# KiCad board 8851_HW-U1-VCU118_REV2-0_071417.kicad_pcb (continued)
## Routing (per net, layer and track width the routed paths; a pad name or vN(x,y) marks a point on that pad's centre or on a via; arc(x,y) is an arc through that point) (continued)
FMCP_HSPC_HA17_CC_N: length 187.2
  TOP w0.102: v2(106.53,52.01) 107.02,52.5 ; J22.K17 v3(85.25,167)
  18_SIG6 w0.075: 117.7,88.09 117.7,88.07 117.73,88.04 117.73,87.61 117.74,87.6 117.74,87.29 117.73,87.28 117.73,86.62 117.74,86.62 117.74,86.3 117.73,86.3 117.73,86.01 117.77,85.97 117.77,84.19 117.74,84.15 117.74,83.99 117.74,83.99 117.74,81.1 117.76,81.08 117.76,77.37 117.59,77.21 113.18,77.21 112.83,76.86 112.83,60.66 112.65,60.47 108.22,60.47 107.91,60.17 107.91,52.74 107.78,52.61 107.15,52.61 106.93,52.38 106.93,52.09 106.85,52.01 v2(106.53,52.01)
  18_SIG6 w0.087: 117.7,88.09 117.7,91.06 119.25,92.61 119.25,95.23 118.3,96.18 118.3,97.93 117.76,98.47 117.76,99.22 118.3,99.76 118.3,109.27 118.97,109.94 118.97,115.92 118.58,116.33 118.58,123.4 114.77,127.2 113.68,127.2 99.07,141.82 95.77,141.82 93.41,144.17 73.91,144.17 73.27,143.53 70.53,143.53 69.95,144.1 69.12,144.1 68.23,144.99 68.23,147.9 71.99,151.65 71.99,153.57 72.43,154.01 87.95,154.01 88.24,154.3 88.24,166.11 88.11,166.24 86.07,166.24 85.74,166.57 85.74,166.87 85.61,167 v3(85.25,167)
FMCP_HSPC_HA17_CC_P: length 187.2
  TOP w0.102: J22.K16 v3(86.5,167) ; v2(107.52,52.01) 108.01,52.5
  18_SIG6 w0.075: 117.97,88.09 117.97,88.09 117.93,88.04 117.93,87.69 117.93,87.68 117.93,87.21 117.93,87.2 117.93,86.7 117.93,86.7 117.93,86.22 117.93,86.22 117.93,86.09 117.97,86.05 117.97,84.11 117.93,84.07 117.93,81.18 117.95,81.16 117.95,77.29 117.67,77.01 113.26,77.01 113.03,76.78 113.03,60.58 112.73,60.28 108.3,60.28 108.11,60.09 108.11,52.66 107.86,52.41 107.23,52.41 107.12,52.3 107.12,52.09 107.2,52.01 v2(107.52,52.01)
  18_SIG6 w0.087: 117.97,88.09 117.97,90.94 119.52,92.49 119.52,95.35 118.58,96.29 118.58,98.04 118.03,98.58 118.03,99.1 118.58,99.64 118.58,109.15 119.25,109.82 119.25,116.04 118.85,116.44 118.85,123.52 114.89,127.48 113.8,127.48 99.18,142.09 95.88,142.09 93.53,144.45 73.8,144.45 73.15,143.8 70.64,143.8 70.07,144.38 69.24,144.38 68.51,145.11 68.51,147.78 72.26,151.54 72.26,153.45 72.55,153.74 88.07,153.74 88.51,154.19 88.51,166.22 88.22,166.51 86.18,166.51 86.01,166.68 86.01,166.87 86.14,167 v3(86.5,167)
FMCP_HSPC_HA18_N: length 189.3
  TOP w0.102: J22.J19 v3(82.75,165.75) ; v2(105.55,55.95) 106.04,56.44
  20_SIG7 w0.075: 126.59,88.06 126.59,88.03 126.63,87.98 126.63,85.4 126.59,85.37 126.59,80.36 126.39,80.16 119.09,80.16 118.74,79.81 118.74,76.33 118.63,76.22 116.92,76.22 115.94,75.23 115.07,75.23 114.8,74.96 114.8,57.77 114.57,57.54 106.26,57.54 105.93,57.2 105.93,55.79 105.83,55.69 105.62,55.69 105.55,55.76 v2(105.55,55.95)
  20_SIG7 w0.087: v3(82.75,165.75) 83.15,165.75 83.24,165.66 83.24,165.25 83.5,164.99 86.72,164.99 87.01,164.7 87.01,161.78 86.76,161.53 86.28,161.53 85.74,160.98 85.74,151.85 90.05,147.53 90.05,146.35 90.34,146.06 95.95,146.06 97.36,144.65 113.61,144.65 114.11,144.15 115.54,144.15 116.41,143.28 118.32,143.28 122.05,139.55 122.48,139.55 123.42,140.5 125.05,140.5 125.17,140.37 125.17,139.96 125.01,139.8 124.15,139.8 123.85,139.5 123.85,138.67 124.15,138.38 126.07,138.38 126.2,138.25 126.2,137.75 126.11,137.66 124.6,137.66 124.29,137.34 124.29,136.95 124.53,136.7 124.53,136.2 125.08,135.65 126.03,135.65 126.22,135.47 126.22,133.02 126.66,132.58 128.98,132.58 131.9,129.65 131.9,127.34 131.68,127.11 131.68,126.04 131.86,125.85 131.86,125.37 131.77,125.29 131.4,125.29 131.15,125.04 131.15,124.27 131.4,124.02 132.1,124.02 132.19,123.93 132.19,123.67 132.1,123.58 131.4,123.58 131.15,123.34 131.15,122.41 131.71,121.86 131.71,117.13 131.95,116.89 131.95,115.79 131.55,115.39 131.55,114.82 130.07,113.34 130.07,112.62 130.95,111.75 130.95,105.44 132.6,103.79 132.6,102.23 130.84,100.47 130.84,95.5 130.71,95.37 130.11,95.37 129.81,95.08 129.81,94.45 130.11,94.16 131.05,94.16 131.25,93.96 131.25,93.28 126.65,88.69 126.65,88.29 126.59,88.06
FMCP_HSPC_HA18_P: length 189
  TOP w0.102: J22.J18 v3(84,165.75) ; v2(106.53,55.95) 107.02,56.44
  20_SIG7 w0.075: v2(106.53,55.95) 106.23,55.95 106.13,56.05 106.13,57.12 106.35,57.34 114.65,57.34 115,57.69 115,74.88 115.15,75.04 116.02,75.04 117,76.03 118.71,76.03 118.93,76.25 118.93,79.73 119.17,79.96 126.48,79.96 126.79,80.28 126.79,85.29 126.83,85.32 126.83,88 126.86,88.04
  20_SIG7 w0.087: 126.86,88.04 126.86,88.51 131.53,93.17 131.53,94.07 131.17,94.43 130.22,94.43 130.09,94.57 130.09,94.96 130.22,95.1 130.82,95.1 131.12,95.39 131.12,100.35 132.88,102.11 132.88,103.9 131.22,105.55 131.22,111.86 130.35,112.74 130.35,113.22 131.83,114.7 131.83,115.28 132.22,115.67 132.22,117 131.98,117.24 131.98,121.97 131.42,122.53 131.42,123.22 131.51,123.31 132.22,123.31 132.47,123.56 132.47,124.05 132.22,124.3 131.51,124.3 131.42,124.38 131.42,124.92 131.51,125.01 131.88,125.01 132.13,125.26 132.13,125.97 131.95,126.15 131.95,127 132.18,127.22 132.18,129.76 129.09,132.85 126.77,132.85 126.49,133.13 126.49,135.58 126.15,135.93 125.19,135.93 124.81,136.31 124.81,136.82 124.56,137.06 124.56,137.23 124.72,137.38 126.22,137.38 126.47,137.64 126.47,138.36 126.18,138.65 124.26,138.65 124.13,138.79 124.13,139.39 124.26,139.52 125.12,139.52 125.45,139.85 125.45,140.49 125.16,140.77 123.31,140.77 122.36,139.83 122.16,139.83 118.43,143.55 116.53,143.55 115.65,144.43 114.22,144.43 113.72,144.93 97.48,144.93 96.07,146.33 90.46,146.33 90.33,146.46 90.33,147.65 86.01,151.96 86.01,160.87 86.39,161.25 86.87,161.25 87.28,161.66 87.28,164.81 86.83,165.26 83.62,165.26 83.51,165.37 83.51,165.66 83.74,165.89 83.86,165.89 v3(84,165.75)
FMCP_HSPC_HA19_N: length 184.7
  TOP w0.102: J22.F20 v3(81.5,162) ; v2(103.58,53.98) 104.07,54.47
  20_SIG7 w0.075: v2(103.58,53.98) 103.58,54.14 103.33,54.39 103.18,54.39 102.99,54.58 102.99,60.16 103.31,60.47 111.68,60.47 111.85,60.64 111.85,77.83 112.21,78.19 114.59,78.19 114.62,78.22 114.8,78.4 114.8,80.82 115.11,81.12 115.15,81.12 115.69,81.13 115.84,81.28 115.84,82.67 116.38,83.21 116.38,83.6 116.74,83.96 116.86,84.08 119.56,84.08 119.74,84.26 119.74,84.8 120.04,85.1 123.49,85.1 123.64,85.25 123.64,88.02 123.83,88.21 123.83,88.57 123.8,88.6
  20_SIG7 w0.087: v3(81.5,162) 81.99,161.51 81.99,151.05 83.03,150.01 83.03,142.23 83.47,141.79 112.13,141.79 113,140.92 113,139.61 113.37,139.24 113.9,139.24 114.29,139.63 114.29,140.34 114.42,140.48 114.95,140.48 115.09,140.34 115.09,139.69 115.47,139.3 116.04,139.3 116.43,139.69 116.43,140.34 116.56,140.48 116.84,140.48 120.32,136.99 120.32,131.62 120.61,131.33 121.02,131.33 121.47,131.77 121.65,131.77 122.03,131.4 122.03,131.21 121.59,130.77 121.59,130.35 122.12,129.82 122.54,129.82 123.15,130.43 123.34,130.43 123.71,130.06 123.71,129.87 123.1,129.26 123.1,128.84 123.64,128.31 124.05,128.31 124.71,128.96 126.21,128.96 126.65,128.53 126.65,126.38 125.72,125.44 125.11,125.44 124.82,125.15 124.82,124.66 125.57,123.9 125.57,110.71 125.91,110.38 126.62,110.38 127.28,111.02 127.65,111.02 128.1,110.57 128.1,103.69 128.02,103.6 127.1,103.6 126.85,103.35 126.85,102.78 127.1,102.53 128.02,102.53 128.1,102.44 128.1,97.54 127.07,96.51 127.07,93.02 123.8,89.75 123.8,88.6
FMCP_HSPC_HA19_P: length 184.7
  TOP w0.102: v2(103.58,54.96) 104.07,55.46 ; J22.F19 v3(82.75,162)
  20_SIG7 w0.075: v2(103.58,54.96) 103.65,54.89 103.65,54.71 103.53,54.59 103.26,54.59 103.19,54.66 103.19,60.08 103.39,60.28 111.76,60.28 112.04,60.56 112.04,77.75 112.29,78 114.67,78 114.7,78.02 115,78.32 115,80.74 115.19,80.93 115.23,80.93 115.77,80.93 116.04,81.2 116.04,82.59 116.57,83.13 116.57,83.52 116.94,83.88 119.64,83.88 119.94,84.18 119.94,84.72 120.12,84.9 123.57,84.9 123.84,85.17 123.84,87.94 124.03,88.13 124.03,88.55 124.08,88.6
  20_SIG7 w0.087: v3(82.75,162) 82.75,162 82.38,162 82.26,161.89 82.26,151.16 83.3,150.12 83.3,142.35 83.58,142.07 112.24,142.07 113.28,141.03 113.28,139.72 113.49,139.51 113.78,139.51 114.02,139.75 114.02,140.46 114.31,140.75 115.07,140.75 115.36,140.46 115.36,139.8 115.59,139.58 115.93,139.58 116.16,139.8 116.16,140.46 116.45,140.75 116.95,140.75 120.59,137.11 120.59,131.73 120.72,131.61 120.91,131.61 121.35,132.05 121.77,132.05 122.3,131.51 122.3,131.1 121.86,130.66 121.86,130.47 122.24,130.09 122.42,130.09 123.04,130.71 123.45,130.71 123.99,130.17 123.99,129.76 123.37,129.14 123.37,128.95 123.75,128.58 123.94,128.58 124.59,129.24 126.33,129.24 126.92,128.64 126.92,126.26 125.83,125.17 125.22,125.17 125.09,125.03 125.09,124.77 125.85,124.02 125.85,110.83 126.03,110.65 126.51,110.65 127.16,111.3 127.76,111.3 128.38,110.69 128.38,103.58 128.13,103.33 127.21,103.33 127.12,103.24 127.12,102.89 127.21,102.8 128.13,102.8 128.38,102.55 128.38,97.43 127.34,96.4 127.34,92.9 124.08,89.63 124.08,88.6
FMCP_HSPC_HA20_N: length 189.3
  TOP w0.102: v2(103.58,55.95) 104.07,56.44 ; J22.E19 v3(82.75,160.75)
  20_SIG7 w0.075: v2(103.58,55.95) 103.87,55.95 103.97,56.05 103.97,59.15 104.31,59.49 112.67,59.49 112.83,59.64 112.83,76.89 113.14,77.21 115.57,77.21 115.79,77.43 115.79,80.29 116.55,81.05 116.55,82.7 116.99,83.13 122.85,83.13 122.89,83.09 123.58,83.09 123.61,83.13 124.44,83.13 124.63,83.32 124.63,86.18 124.66,86.22 124.66,87.87 124.61,87.93 124.61,87.95
  20_SIG7 w0.087: 124.61,87.95 124.61,89.22 127.98,92.59 127.98,96.13 129.01,97.17 129.01,101.12 129.68,101.79 129.68,102.29 129.1,102.86 129.1,110.86 127.55,112.41 127.55,120.75 128.28,121.48 128.28,121.83 128.19,121.92 127.1,121.92 126.85,122.16 126.85,122.74 127.1,122.99 128.19,122.99 128.28,123.08 128.28,123.43 128.19,123.52 127.1,123.52 126.85,123.76 126.85,124.04 126.58,124.32 126.58,124.95 126.83,125.2 128.58,125.2 128.71,125.33 128.71,125.73 128.57,125.86 128.12,125.86 127.83,126.15 127.83,126.63 128.15,126.95 128.64,126.95 129.3,127.61 129.3,129.42 127.95,130.78 125.96,130.78 124.16,132.58 123.59,132.58 123.29,132.88 121.76,132.88 121.37,133.27 121.37,137.48 117.45,141.4 113.89,141.4 112.62,142.67 95.29,142.67 95,142.96 95,144.04 94.86,144.18 94.33,144.18 94.2,144.04 94.2,142.96 93.91,142.67 93.15,142.67 92.86,142.96 92.86,144.04 92.72,144.18 92.19,144.18 92.06,144.04 92.06,142.96 91.77,142.67 91.01,142.67 90.72,142.96 90.72,144.04 90.58,144.18 90.05,144.18 89.92,144.04 89.92,142.96 89.63,142.67 88.87,142.67 88.58,142.96 88.58,144.04 88.44,144.18 87.91,144.18 87.78,144.04 87.78,142.96 87.49,142.67 86.73,142.67 86.44,142.96 86.44,144.04 86.3,144.18 85.77,144.18 85.64,144.04 85.64,142.96 85.35,142.67 84.49,142.67 84.22,142.94 84.22,150.44 83.24,151.42 83.24,160.26 v3(82.75,160.75)
FMCP_HSPC_HA20_P: length 190.9
  TOP w0.102: v2(104.56,55.95) 105.06,56.44 ; J22.E18 v3(84,160.75)
  20_SIG7 w0.075: 124.88,87.95 124.88,87.94 124.86,87.91 124.86,86.14 124.82,86.1 124.82,83.23 124.52,82.94 123.69,82.94 123.66,82.9 122.81,82.9 122.77,82.94 117.07,82.94 116.75,82.62 116.75,80.97 115.99,80.21 115.99,77.35 115.65,77.01 113.22,77.01 113.02,76.81 113.02,59.56 112.75,59.3 104.39,59.3 104.17,59.07 104.17,56.03 104.25,55.95 v2(104.56,55.95)
  20_SIG7 w0.087: v3(84,160.75) 84,161.2 83.89,161.31 83.49,161.31 83.3,161.12 83.3,160.59 83.51,160.38 83.51,151.54 84.5,150.55 84.5,143.05 84.61,142.94 85.23,142.94 85.37,143.08 85.37,144.16 85.66,144.45 86.42,144.45 86.71,144.16 86.71,143.08 86.84,142.94 87.37,142.94 87.51,143.08 87.51,144.16 87.8,144.45 88.56,144.45 88.85,144.16 88.85,143.08 88.98,142.94 89.51,142.94 89.65,143.08 89.65,144.16 89.94,144.45 90.7,144.45 90.99,144.16 90.99,143.08 91.12,142.94 91.65,142.94 91.79,143.08 91.79,144.16 92.08,144.45 92.84,144.45 93.13,144.16 93.13,143.08 93.26,142.94 93.79,142.94 93.93,143.08 93.93,144.16 94.22,144.45 94.98,144.45 95.27,144.16 95.27,143.08 95.4,142.94 112.73,142.94 114,141.68 117.56,141.68 121.64,137.59 121.64,133.38 121.88,133.15 123.4,133.15 123.7,132.85 124.28,132.85 126.08,131.05 128.06,131.05 129.57,129.54 129.57,127.5 128.75,126.67 128.26,126.67 128.1,126.52 128.1,126.27 128.23,126.13 128.69,126.13 128.98,125.84 128.98,125.22 128.7,124.93 126.95,124.93 126.85,124.83 126.85,124.43 127.12,124.16 127.12,123.88 127.21,123.79 128.3,123.79 128.55,123.54 128.55,122.96 128.3,122.72 127.21,122.72 127.12,122.63 127.12,122.28 127.21,122.19 128.3,122.19 128.55,121.94 128.55,121.36 127.83,120.64 127.83,112.52 129.38,110.97 129.38,102.97 129.95,102.4 129.95,101.67 129.29,101.01 129.29,97.05 128.25,96.02 128.25,92.47 124.88,89.11 124.88,87.95
FMCP_HSPC_HA21_N: length 184.3
  TOP w0.102: v2(102.6,53.98) 103.09,54.47 ; J22.K20 v3(81.5,167)
  20_SIG7 w0.075: 121.8,89.04 121.72,88.96 121.72,88.89 120.72,87.89 120.72,86.17 120.6,86.05 119.85,86.05 119.81,86.08 118.74,86.08 118.7,86.05 117.94,86.05 117.91,86.08 116.87,86.08 116.56,85.77 116.56,85.07 115.82,84.33 115.82,83.39 115.56,83.13 115.08,83.13 114.78,82.84 114.78,82.37 114.54,82.13 114.12,82.13 113.83,81.84 113.83,79.38 113.63,79.18 111.21,79.18 110.86,78.83 110.86,61.62 110.7,61.46 102.31,61.46 102,61.15 102,54.61 102.22,54.4 102.51,54.4 102.6,54.31 v2(102.6,53.98)
  20_SIG7 w0.087: 121.8,89.04 121.81,89.05 126.14,93.39 126.14,96.87 127.2,97.92 127.2,100.48 125.88,101.8 125.88,104.24 126.12,104.49 127.09,104.49 127.17,104.58 127.17,104.93 127.09,105.01 126.12,105.01 125.88,105.26 125.88,105.77 126.5,106.4 126.5,107.47 124.7,109.27 124.7,123.46 123.83,124.33 123.83,126.82 119.38,131.27 119.38,132.24 119.26,132.35 118.27,132.35 117.97,132.64 117.97,133.3 118.31,133.63 119.09,133.63 119.28,133.83 119.28,136.73 117.71,138.3 114.64,138.3 114.45,138.11 114.45,136.52 114.16,136.22 113.4,136.22 113.1,136.52 113.1,137.84 112.65,138.3 111.76,138.3 111.43,138.63 111.43,139.61 111.99,140.18 111.99,140.37 111.62,140.74 111.43,140.74 110.87,140.18 110.45,140.18 109.76,140.86 82.51,140.86 82,141.38 82,149.54 80.74,150.8 80.74,166.16 81.09,166.51 81.63,166.51 81.75,166.64 81.75,166.75 v3(81.5,167)
FMCP_HSPC_HA21_P: length 185.1
  TOP w0.102: v2(102.6,54.96) 103.09,55.46 ; J22.K19 v3(82.75,167)
  20_SIG7 w0.075: v2(102.6,54.96) 102.6,54.68 102.51,54.59 102.3,54.59 102.2,54.69 102.2,61.07 102.39,61.26 110.78,61.26 111.06,61.54 111.06,78.75 111.29,78.98 113.71,78.98 114.03,79.3 114.03,81.76 114.2,81.93 114.62,81.93 114.98,82.29 114.98,82.76 115.16,82.94 115.64,82.94 116.01,83.31 116.01,84.25 116.75,84.99 116.75,85.68 116.95,85.89 117.82,85.89 117.86,85.85 118.78,85.85 118.82,85.89 119.73,85.89 119.77,85.85 120.68,85.85 120.92,86.09 120.92,87.81 121.94,88.83 121.98,88.83 122,88.85
  20_SIG7 w0.087: v3(82.75,167) 82.75,167.14 82.57,167.32 82.16,167.32 82.02,167.19 82.02,166.52 81.74,166.24 81.21,166.24 81.01,166.05 81.01,150.91 82.28,149.65 82.28,141.49 82.63,141.14 109.88,141.14 110.56,140.45 110.75,140.45 111.32,141.02 111.73,141.02 112.27,140.48 112.27,140.07 111.7,139.5 111.7,138.75 111.87,138.58 112.76,138.58 113.38,137.96 113.38,136.63 113.51,136.5 114.04,136.5 114.17,136.63 114.17,138.22 114.53,138.58 117.82,138.58 119.56,136.84 119.56,133.71 119.2,133.36 118.42,133.36 118.25,133.18 118.25,132.76 118.38,132.62 119.38,132.62 119.65,132.35 119.65,131.38 124.1,126.93 124.1,124.44 124.97,123.57 124.97,109.39 126.78,107.59 126.78,106.29 126.15,105.66 126.15,105.38 126.24,105.29 127.2,105.29 127.45,105.04 127.45,104.46 127.2,104.21 126.24,104.21 126.15,104.13 126.15,101.91 127.47,100.59 127.47,97.81 126.42,96.75 126.42,93.27 122.48,89.33 122,88.85
FMCP_HSPC_HA22_N: length 182.5
  TOP w0.102: J22.J22 v3(79,165.75) ; v2(101.61,52.99) 102.1,53.49
  20_SIG7 w0.075: v2(101.61,52.99) 101.68,52.93 101.82,52.93 101.98,53.08 101.98,53.27 101.86,53.39 101.35,53.39 101.02,53.72 101.02,62.2 101.26,62.44 109.74,62.44 109.88,62.59 109.88,79.82 110.23,80.17 112.6,80.17 112.81,80.39 112.81,82.86 113.08,83.13 113.59,83.13 113.81,83.35 113.81,83.74 114.15,84.08 114.69,84.08 114.82,84.21 114.82,84.74 115.16,85.09 115.65,85.09 116.03,85.47 116.03,87.53 116.64,88.14 119.69,88.14 120.6,89.06 120.6,89.13
  20_SIG7 w0.087: 120.6,89.13 124.96,93.49 124.96,98.87 125.56,99.47 125.56,100.88 124.97,101.47 124.97,106.09 125.47,106.6 125.47,107.26 123.84,108.9 123.84,123 122.96,123.89 122.96,126.36 117.12,132.2 116.01,132.2 110.01,138.2 109.2,138.2 107.45,139.95 78.52,139.95 78.31,140.17 78.31,141.37 78.63,141.69 80.67,141.69 80.8,141.82 80.8,142.35 80.67,142.49 79.78,142.49 79.49,142.78 79.49,143.54 79.78,143.83 80.67,143.83 80.8,143.96 80.8,144.49 80.67,144.63 79.78,144.63 79.49,144.92 79.49,145.68 79.78,145.97 80.67,145.97 80.8,146.1 80.8,146.63 80.67,146.77 79.78,146.77 79.49,147.06 79.49,147.82 79.78,148.11 80.67,148.11 80.8,148.24 80.8,148.77 80.67,148.91 79.78,148.91 79.49,149.2 79.49,165.26 v3(79,165.75)
FMCP_HSPC_HA22_P: length 183.2
  TOP w0.102: J22.J21 v3(80.25,165.75) ; v2(102.6,52.99) 103.09,53.49
  20_SIG7 w0.075: 120.79,88.93 120.75,88.93 119.77,87.95 116.72,87.95 116.23,87.45 116.23,85.39 115.73,84.89 115.24,84.89 115.01,84.66 115.01,84.12 114.77,83.88 114.23,83.88 114.01,83.66 114.01,83.27 113.67,82.94 113.16,82.94 113.01,82.78 113.01,80.31 112.68,79.98 110.31,79.98 110.07,79.74 110.07,62.5 109.82,62.25 101.34,62.25 101.21,62.12 101.21,53.8 101.43,53.58 101.94,53.58 102.17,53.35 102.17,53.08 102.26,52.99 v2(102.6,52.99)
  20_SIG7 w0.087: v3(80.25,165.75) 80.14,165.86 79.69,165.86 79.57,165.74 79.57,165.57 79.76,165.38 79.76,149.31 79.89,149.18 80.78,149.18 81.08,148.89 81.08,148.13 80.78,147.84 79.89,147.84 79.76,147.7 79.76,147.17 79.89,147.04 80.78,147.04 81.08,146.75 81.08,145.99 80.78,145.7 79.89,145.7 79.76,145.56 79.76,145.03 79.89,144.9 80.78,144.9 81.08,144.61 81.08,143.85 80.78,143.56 79.89,143.56 79.76,143.42 79.76,142.89 79.89,142.76 80.78,142.76 81.08,142.47 81.08,141.71 80.78,141.42 78.75,141.42 78.59,141.26 78.59,140.28 78.64,140.23 107.56,140.23 109.31,138.48 110.12,138.48 116.13,132.47 117.23,132.47 123.23,126.47 123.23,124 124.11,123.12 124.11,109.01 125.75,107.38 125.75,106.49 125.25,105.98 125.25,101.58 125.83,100.99 125.83,99.36 125.23,98.76 125.23,93.37 120.79,88.93
FMCP_HSPC_HA23_N: length 181.4
  TOP w0.102: J22.K23 v3(77.75,167) ; v2(101.61,52.01) 102.1,52.5
  20_SIG7 w0.075: 116.38,88.95 116.36,88.95 116.32,88.91 115.81,88.91 114.78,87.88 114.78,86.28 114.59,86.09 114.57,86.09 114.56,86.08 114.1,86.08 113.8,85.78 113.8,85.31 113.58,85.09 113.21,85.09 112.85,84.73 112.85,84.22 112.71,84.08 112.17,84.08 111.87,83.77 111.87,81.28 111.71,81.13 109.22,81.13 108.89,80.8 108.89,63.61 108.71,63.43 100.3,63.43 100.04,63.17 100.04,52.71 100.34,52.4 101.93,52.4 102,52.33 102,51.93 101.91,51.83 101.79,51.83 v2(101.61,52.01)
  20_SIG7 w0.087: v3(77.75,167) 78.12,167 78.24,166.89 78.24,148.95 78.11,148.82 77.67,148.82 77.38,148.52 77.38,147.77 77.67,147.47 78.11,147.47 78.24,147.34 78.24,146.81 78.11,146.68 77.67,146.68 77.38,146.38 77.38,145.63 77.67,145.33 78.11,145.33 78.24,145.2 78.24,144.67 78.11,144.54 77.67,144.54 77.38,144.24 77.38,143.49 77.67,143.19 78.11,143.19 78.24,143.06 78.24,142.53 78.11,142.4 77.07,142.4 76.77,142.1 76.77,139.47 77.21,139.03 106.92,139.03 108.92,137.03 109.85,137.03 115.64,131.23 116.75,131.23 121.63,126.36 121.63,123.83 122.97,122.49 122.97,108.52 123.95,107.54 123.95,93.72 119.17,88.95 116.38,88.95
FMCP_HSPC_HA23_P: length 181.1
  TOP w0.102: v2(102.6,52.01) 103.09,52.5 ; J22.K22 v3(79,167)
  20_SIG7 w0.075: v2(102.6,52.01) 102.28,52.01 102.2,52.1 102.2,52.41 102.01,52.6 100.42,52.6 100.23,52.79 100.23,63.08 100.38,63.23 108.8,63.23 109.09,63.53 109.09,80.72 109.3,80.93 111.79,80.93 112.06,81.2 112.06,83.69 112.25,83.88 112.79,83.88 113.05,84.14 113.05,84.65 113.29,84.9 113.66,84.9 113.99,85.23 113.99,85.7 114.18,85.89 114.64,85.89 114.65,85.89 114.67,85.89 114.98,86.2 114.98,87.8 115.89,88.72 116.32,88.72 116.36,88.67 116.38,88.67
  20_SIG7 w0.087: 116.38,88.67 119.29,88.67 124.22,93.61 124.22,107.66 123.25,108.63 123.25,122.6 121.9,123.95 121.9,126.47 116.87,131.51 115.76,131.51 109.96,137.3 109.04,137.3 107.04,139.3 77.33,139.3 77.04,139.59 77.04,141.98 77.18,142.12 78.22,142.12 78.51,142.42 78.51,143.17 78.22,143.47 77.78,143.47 77.65,143.6 77.65,144.13 77.78,144.26 78.22,144.26 78.51,144.56 78.51,145.31 78.22,145.61 77.78,145.61 77.65,145.74 77.65,146.27 77.78,146.4 78.22,146.4 78.51,146.7 78.51,147.45 78.22,147.75 77.78,147.75 77.65,147.88 77.65,148.41 77.78,148.54 78.22,148.54 78.51,148.84 78.51,166.51 v3(79,167)
FMCP_HSPC_IIC_SCL: length 139.3
  TOP w0.138: 139.58,118.33 141.55,118.33 v3(142.19,118.97)
  TOP w0.15: J22.C30 v3(69,158.25)
  07_SIG3 w0.17: v3(142.19,118.97) 141.64,118.97 141.47,119.14 141.47,121.97 141.79,122.3 142.33,122.3 144.72,124.68 144.72,130.57 143.99,131.3 141.08,131.3 139.03,133.35 139.03,140.53 130.75,148.8 121.13,148.8 116.92,153.01 116.92,156.62 115.53,158.01 115.53,167.85 111.98,171.4 69.38,171.4 68.76,170.79 68.76,169.94 68.5,169.68 68.5,158.75 v3(69,158.25)
  BOTTOM w0.15: v3(142.19,118.97) 141.6,119.55 140.55,119.55 140.44,119.44 R624.2
FMCP_HSPC_IIC_SDA: length 139.6
  TOP w0.138: 139.58,117.69 v3(140.94,117.69)
  TOP w0.15: J22.C31 v3(67.75,158.25)
  07_SIG3 w0.17: v3(67.75,158.25) 67.75,157.8 67.92,157.63 69.26,157.63 69.58,157.95 69.58,169.74 69.25,170.06 69.25,170.6 69.55,170.9 105.62,170.9 105.67,170.85 105.75,170.85 105.78,170.83 111.78,170.83 114.9,167.7 114.9,157.87 116.37,156.39 116.37,152.79 120.9,148.26 130.52,148.26 138.48,140.3 138.48,133.12 140.85,130.75 141.21,130.75 143.76,130.75 144.17,130.35 144.17,124.91 142.1,122.84 141.53,122.84 140.4,121.71 140.4,119.94 140.23,119.77 139.84,119.77 139.68,119.6 139.68,119.26 139.84,119.09 140.23,119.09 140.4,118.92 140.4,118.23 v3(140.94,117.69)
  BOTTOM w0.15: R623.2 139.67,117.19 140.16,117.69 v3(140.94,117.69)
FMCP_HSPC_LA00_CC_N: length 164
  TOP w0.102: v2(124.25,77.6) 123.76,77.11 ; J22.G7 v3(97.75,163.25)
  16_SIG5 w0.075: 130.53,88.4 130.53,88.38 130.57,88.34 130.57,86.19 130.55,86.17 130.55,84.79 130.53,84.77 130.53,83.18 130.55,83.16 130.55,75.42 130.35,75.22 127.85,75.22 127.78,75.3 127.78,75.88 127.43,76.22 124.78,76.22 124.65,76.35 124.65,76.95 124.25,77.35 v2(124.25,77.6)
  16_SIG5 w0.087: 130.53,88.4 130.53,91.17 128.56,93.14 128.56,99.89 128.2,100.25 128.2,107.31 128.56,107.67 128.56,113.35 130.14,114.93 130.14,122.99 130.51,123.37 130.51,123.74 130.3,123.95 129.06,123.95 128.54,124.47 128.54,125.26 129.11,125.84 130.64,125.84 130.78,125.97 130.78,127.65 131.2,128.07 131.63,128.07 132.2,128.65 132.2,130.27 132.11,130.36 131.56,130.36 131.45,130.25 131.45,128.81 131.18,128.54 130.5,128.54 130.25,128.79 130.25,131.38 130.5,131.63 132.58,131.63 132.77,131.83 132.77,132.04 132.56,132.25 130.54,132.25 130.28,132.51 130.28,132.99 130.66,133.38 131.71,133.38 131.8,133.46 131.8,137.51 132.1,137.81 132.1,140.9 132.01,140.99 130.11,140.99 130.02,140.9 130.02,140.22 129.77,139.98 129.31,139.98 129.03,140.25 129.03,140.9 128.95,140.99 128.12,140.99 127.88,141.23 127.88,141.73 128.12,141.97 132.14,141.97 132.22,142.06 132.22,142.32 132.14,142.41 128.12,142.41 127.88,142.66 127.88,143.15 128.12,143.4 131.71,143.4 131.8,143.49 131.8,144.16 131.69,144.28 128.69,144.28 128.07,144.89 128.07,146.46 127.81,146.73 122.17,146.73 121.72,147.17 121.72,147.52 122.39,148.19 122.39,148.32 122.21,148.5 122.08,148.5 121.42,147.83 121.06,147.83 120.72,148.18 120.72,148.53 121.39,149.2 121.39,149.32 121.2,149.51 120.63,149.51 120.1,150.04 120.1,151.21 114.33,156.99 113.36,156.99 113.11,157.23 113.11,157.84 113.02,157.93 112.76,157.93 112.67,157.84 112.67,157.23 112.42,156.99 110.62,156.99 110.03,157.58 107.35,157.58 105.97,158.95 105.97,160.71 105.46,161.23 98.49,161.23 98.24,161.47 98.24,162.76 v3(97.75,163.25)
FMCP_HSPC_LA00_CC_P: length 164.2
  TOP w0.102: v2(124.25,76.62) 123.76,76.12 ; J22.G6 v3(99,163.25)
  16_SIG5 w0.075: v2(124.25,76.62) 124.45,76.41 124.45,76.27 124.7,76.03 127.35,76.03 127.58,75.79 127.58,75.22 127.77,75.03 130.43,75.03 130.74,75.34 130.74,83.24 130.73,83.26 130.73,84.69 130.74,84.7 130.74,86.09 130.76,86.11 130.76,88.34 130.8,88.38 130.8,88.4
  16_SIG5 w0.087: 130.8,88.4 130.8,91.29 128.84,93.25 128.84,100 128.47,100.36 128.47,107.19 128.84,107.55 128.84,113.24 130.41,114.81 130.41,122.88 130.79,123.26 130.79,123.85 130.41,124.23 129.17,124.23 128.81,124.59 128.81,125.15 129.23,125.56 130.76,125.56 131.05,125.86 131.05,127.53 131.32,127.8 131.74,127.8 132.47,128.53 132.47,130.39 132.23,130.64 131.45,130.64 131.18,130.36 131.18,128.92 131.07,128.82 130.61,128.82 130.53,128.9 130.53,131.27 130.61,131.36 132.69,131.36 133.05,131.71 133.05,132.15 132.68,132.53 130.65,132.53 130.55,132.62 130.55,132.88 130.78,133.1 131.83,133.1 132.07,133.35 132.07,137.4 132.38,137.7 132.38,141.01 132.13,141.26 130,141.26 129.75,141.01 129.75,140.34 129.66,140.25 129.42,140.25 129.31,140.36 129.31,141.01 129.06,141.26 128.24,141.26 128.15,141.35 128.15,141.61 128.24,141.7 132.25,141.7 132.5,141.95 132.5,142.44 132.25,142.69 128.24,142.69 128.15,142.77 128.15,143.04 128.24,143.12 131.83,143.12 132.07,143.37 132.07,144.28 131.8,144.55 128.8,144.55 128.35,145 128.35,146.58 127.92,147 122.29,147 122,147.29 122,147.41 122.67,148.08 122.67,148.43 122.32,148.78 121.97,148.78 121.3,148.11 121.18,148.11 120.99,148.29 120.99,148.42 121.66,149.09 121.66,149.44 121.31,149.79 120.74,149.79 120.38,150.15 120.38,151.33 114.44,157.26 113.47,157.26 113.38,157.35 113.38,157.95 113.13,158.2 112.64,158.2 112.39,157.95 112.39,157.35 112.31,157.26 110.74,157.26 110.14,157.85 107.46,157.85 106.25,159.06 106.25,160.83 105.58,161.5 98.6,161.5 98.51,161.59 98.51,163.41 98.58,163.48 98.78,163.48 v3(99,163.25)
FMCP_HSPC_LA01_CC_N: length 144.2
  TOP w0.102: 123.76,72.19 v2(124.25,72.68) ; J22.D9 v3(95.25,159.5)
  16_SIG5 w0.075: 132.5,88.32 132.5,88.31 132.54,88.27 132.54,86.23 132.52,86.21 132.52,84.86 132.5,84.84 132.5,83.11 132.52,83.09 132.52,72.5 132.3,72.29 124.32,72.29 124.25,72.36 v2(124.25,72.68)
  16_SIG5 w0.087: v3(95.25,159.5) 95.85,159.5 95.92,159.43 95.92,159.02 96.17,158.78 97.03,158.78 97.28,159.02 97.28,161.12 96.87,161.53 96.11,161.53 96.03,161.61 96.03,163.56 96.19,163.73 98.04,163.73 98.53,164.21 98.53,164.8 98.72,165 105.51,165 106.77,163.74 109.35,163.74 111.59,161.5 112.71,161.5 117.71,156.5 118.36,156.5 120.25,154.61 120.25,154.36 123.47,151.14 123.47,150.79 123.99,150.28 132.05,150.28 132.82,149.5 132.82,147.56 134.57,145.81 134.57,143.49 135.12,142.94 135.12,140.99 134.63,140.49 134.63,129.6 134.27,129.24 134.27,127.56 132.66,125.96 132.66,123.59 133.13,123.12 133.13,114.12 132.35,113.34 132.35,110.86 130.4,108.91 130.4,103.81 131.2,103.01 131.2,93.03 132.5,91.73 132.5,88.32
FMCP_HSPC_LA01_CC_P: length 144
  TOP w0.102: 123.76,71.2 v2(124.25,71.7) ; J22.D8 v3(96.5,159.5)
  16_SIG5 w0.075: v2(124.25,71.7) 124.25,72.02 124.32,72.09 132.38,72.09 132.71,72.42 132.71,83.17 132.69,83.19 132.69,84.76 132.71,84.78 132.71,86.13 132.73,86.15 132.73,88.27 132.77,88.31 132.77,88.32
  16_SIG5 w0.087: v3(96.5,159.5) 96.2,159.2 96.2,159.14 96.29,159.05 96.91,159.05 97,159.14 97,161 96.75,161.25 96,161.25 95.75,161.5 95.75,163.68 96.08,164 97.92,164 98.25,164.33 98.25,164.91 98.61,165.28 105.63,165.28 106.89,164.01 109.46,164.01 111.7,161.78 112.83,161.78 117.83,156.78 118.47,156.78 120.53,154.73 120.53,154.48 123.75,151.25 123.75,150.9 124.1,150.55 132.16,150.55 133.1,149.61 133.1,147.68 134.85,145.93 134.85,143.6 135.4,143.05 135.4,140.88 134.9,140.38 134.9,129.48 134.54,129.12 134.54,127.45 132.94,125.85 132.94,123.7 133.41,123.24 133.41,114 132.63,113.22 132.63,110.75 130.68,108.8 130.68,103.92 131.47,103.12 131.47,93.14 132.77,91.84 132.77,88.32
FMCP_HSPC_LA02_N: length 157
  TOP w0.102: J22.H8 v3(96.5,164.5) ; 122.77,73.17 v2(123.26,73.66)
  16_SIG5 w0.075: 133.74,88.2 133.74,88.18 133.7,88.14 133.7,87.73 133.68,87.71 133.68,86.23 133.72,86.2 133.72,83.16 133.7,83.15 133.7,71.45 133.35,71.11 123.99,71.11 123.66,71.44 123.66,73.95 123.53,74.08 122.97,74.08 122.87,73.97 122.87,73.74 122.95,73.66 v2(123.26,73.66)
  16_SIG5 w0.087: 133.74,88.2 133.74,92.26 133.1,92.9 133.1,98.97 132.9,99.17 132.9,103.55 132.07,104.38 132.07,104.91 132.25,105.09 133.46,105.09 133.75,105.38 133.75,106.01 133.46,106.3 132.97,106.3 132.83,106.43 132.83,108.24 133.02,108.43 133.27,108.43 133.57,108.74 133.57,111.51 134.4,112.33 134.4,124.71 135.81,126.13 135.81,139.99 136.43,140.6 136.43,143.64 135.81,144.25 135.81,147.25 135.51,147.55 134.59,147.55 134.07,148.06 134.07,151.89 133.66,152.3 125.61,152.3 125.24,152.68 124.82,152.68 124.31,152.17 124.18,152.17 123.75,152.6 123.75,152.73 124.26,153.24 124.26,153.65 123.7,154.21 123.7,154.8 123.08,155.43 122.45,155.43 122.17,155.15 121.75,155.15 121.45,155.45 121.03,155.45 119.35,157.12 119.35,157.78 118.88,158.25 118.88,160.05 118.25,160.68 117.86,160.68 117.61,160.43 115.53,160.43 115.25,160.7 115.25,161.65 115.92,162.32 115.92,166.66 115.31,167.28 112.09,167.28 110.81,166 106.05,166 105.53,166.53 97.39,166.53 96.99,166.13 96.99,165.4 96.7,165.11 96.7,164.7 v3(96.5,164.5)
FMCP_HSPC_LA02_P: length 156.8
  TOP w0.102: 121.79,73.17 v2(122.28,73.66) ; J22.H7 v3(97.75,164.5)
  16_SIG5 w0.075: 133.46,88.2 133.46,88.18 133.5,88.14 133.5,87.81 133.48,87.79 133.48,86.15 133.52,86.12 133.52,83.25 133.5,83.23 133.5,71.53 133.27,71.3 124.07,71.3 123.85,71.53 123.85,74.03 123.61,74.27 122.89,74.27 122.68,74.05 122.68,73.74 122.6,73.66 v2(122.28,73.66)
  16_SIG5 w0.087: v3(97.75,164.5) 97.65,164.4 97.1,164.4 96.97,164.53 96.97,165 97.26,165.29 97.26,166.01 97.5,166.25 105.41,166.25 105.94,165.73 110.92,165.73 112.2,167 115.2,167 115.65,166.55 115.65,162.44 114.97,161.76 114.97,160.59 115.41,160.15 117.73,160.15 117.98,160.4 118.14,160.4 118.6,159.94 118.6,158.14 119.08,157.66 119.08,157.01 120.91,155.18 121.34,155.18 121.64,154.88 122.29,154.88 122.56,155.15 122.96,155.15 123.42,154.69 123.42,154.1 123.98,153.54 123.98,153.35 123.47,152.84 123.47,152.49 124.07,151.89 124.42,151.89 124.93,152.4 125.12,152.4 125.5,152.02 133.55,152.02 133.8,151.78 133.8,147.95 134.47,147.28 135.4,147.28 135.54,147.14 135.54,144.14 136.15,143.53 136.15,140.71 135.54,140.1 135.54,126.24 134.12,124.82 134.12,112.45 133.3,111.62 133.3,108.85 133.16,108.71 132.91,108.71 132.56,108.36 132.56,106.32 132.85,106.03 133.35,106.03 133.48,105.89 133.48,105.5 133.35,105.36 132.14,105.36 131.8,105.03 131.8,104.26 132.62,103.44 132.62,99.06 132.82,98.86 132.82,92.79 133.46,92.15 133.46,88.2
FMCP_HSPC_LA03_N: length 160.9
  TOP w0.102: v2(129.17,81.54) 128.68,81.05 ; J22.G10 v3(94,163.25)
  16_SIG5 w0.075: v2(129.17,81.54) 129.17,81.13 129.25,81.06 129.48,81.06 129.56,81.14 129.56,83.06 129.58,83.08 129.58,84.7 129.56,84.72 129.56,86.06 129.55,86.08 129.55,88.09 129.62,88.16 129.62,88.64 129.55,88.71 129.55,88.89 129.51,88.93 129.51,88.95
  16_SIG5 w0.087: 129.51,88.95 129.51,90.97 127.63,92.85 127.63,99.47 127.25,99.85 127.25,108.25 127.7,108.7 127.7,110.99 127.61,111.08 127.11,111.08 126.8,111.39 126.8,113.14 127.14,113.48 127.56,113.48 127.71,113.64 127.71,114.17 127.61,114.27 127.14,114.27 126.8,114.61 126.8,115.28 127.14,115.62 127.59,115.62 127.72,115.75 127.72,116.28 127.59,116.41 127.14,116.41 126.8,116.75 126.8,117.42 127.14,117.76 129.03,117.76 129.16,117.89 129.16,118.33 128.95,118.54 127.15,118.54 126.82,118.87 126.82,121.09 127.11,121.39 127.66,121.39 127.93,121.12 127.93,120.13 128.04,120.02 128.27,120.02 128.41,120.16 128.41,122.05 128.28,122.18 127.67,122.18 127.36,122.49 127.36,123.1 127.67,123.41 127.67,123.97 127.36,124.28 127.36,126.39 127.75,126.77 129.26,126.77 129.38,126.89 129.38,133.33 129.86,133.81 129.86,134.01 129.03,134.85 129.03,138.58 128.82,138.78 126.9,138.78 126.42,138.3 125.33,138.3 124.71,138.92 124.71,139.74 125.11,140.14 126.47,140.14 127,140.67 127,141.59 126.91,141.68 126.05,141.68 125.8,141.93 125.8,142.42 126.05,142.67 126.91,142.67 127,142.75 127,143.68 127.2,143.88 127.2,145.74 127.11,145.83 126.97,145.83 126.88,145.73 126.88,144.76 126.46,144.35 125.79,144.35 125.62,144.19 125.62,143.22 125.38,142.98 124.81,142.98 124.53,143.26 124.53,145.74 124.44,145.83 124.13,145.83 124.04,145.74 124.04,142.8 123.77,142.53 123.3,142.53 123.06,142.77 123.06,144.26 122.97,144.35 122.69,144.35 122.6,144.26 122.6,143.32 122.35,143.08 121.92,143.08 121.67,143.32 121.67,145.09 121.92,145.34 122.97,145.34 123.06,145.42 123.06,145.74 122.97,145.83 121.76,145.83 118.67,148.91 118.67,151.31 114.94,155.05 114.82,155.05 114.46,154.69 114.11,154.69 113.7,155.1 113.7,155.45 114.06,155.81 114.06,155.93 113.89,156.1 113.12,156.1 113.03,156.01 113.03,154.8 112.78,154.55 112.29,154.55 112.04,154.8 112.04,156.01 111.96,156.1 111.69,156.1 111.61,156.01 111.61,154.8 111.36,154.55 110.87,154.55 110.62,154.8 110.62,156.01 110.53,156.1 110.27,156.1 110.18,156.01 110.18,154.8 109.93,154.55 109.44,154.55 109.19,154.8 109.19,155.76 108.48,156.47 106.49,156.47 105.47,157.49 94.89,157.49 94.49,157.89 94.49,162.76 v3(94,163.25)
FMCP_HSPC_LA03_P: length 161.1
  TOP w0.102: J22.G9 v3(95.25,163.25) ; v2(129.17,80.55) 128.68,80.06
  16_SIG5 w0.075: v2(129.17,80.55) 129.17,80.81 129.23,80.86 129.56,80.86 129.76,81.06 129.76,82.98 129.78,83 129.78,84.78 129.76,84.8 129.76,86.15 129.74,86.16 129.74,88 129.81,88.08 129.81,88.72 129.74,88.79 129.74,88.89 129.78,88.93 129.78,88.95
  16_SIG5 w0.087: 129.78,88.95 129.78,91.09 127.91,92.96 127.91,99.58 127.53,99.96 127.53,108.14 127.97,108.59 127.97,111.1 127.73,111.35 127.22,111.35 127.08,111.5 127.08,113.03 127.25,113.2 127.67,113.2 127.99,113.52 127.99,114.28 127.72,114.55 127.25,114.55 127.08,114.72 127.08,115.17 127.25,115.34 127.71,115.34 128,115.64 128,116.4 127.71,116.69 127.25,116.69 127.08,116.86 127.08,117.31 127.25,117.48 129.15,117.48 129.44,117.78 129.44,118.45 129.07,118.82 127.26,118.82 127.09,118.98 127.09,120.98 127.22,121.11 127.55,121.11 127.66,121.01 127.66,120.02 127.92,119.75 128.39,119.75 128.69,120.05 128.69,122.16 128.39,122.46 127.79,122.46 127.64,122.6 127.64,122.98 127.95,123.29 127.95,124.08 127.64,124.39 127.64,126.28 127.86,126.5 129.38,126.5 129.65,126.77 129.65,133.21 130.14,133.7 130.14,134.13 129.3,134.96 129.3,138.69 128.94,139.05 126.79,139.05 126.31,138.58 125.44,138.58 124.99,139.03 124.99,139.63 125.22,139.87 126.58,139.87 127.28,140.56 127.28,141.71 127.03,141.95 126.16,141.95 126.08,142.04 126.08,142.3 126.16,142.39 127.03,142.39 127.28,142.64 127.28,143.56 127.47,143.76 127.47,145.85 127.23,146.1 126.86,146.1 126.6,145.84 126.6,144.88 126.35,144.62 125.67,144.62 125.35,144.3 125.35,143.34 125.26,143.25 124.92,143.25 124.8,143.38 124.8,145.85 124.55,146.1 124.02,146.1 123.77,145.85 123.77,142.91 123.66,142.8 123.42,142.8 123.33,142.89 123.33,144.37 123.08,144.62 122.57,144.62 122.32,144.37 122.32,143.44 122.24,143.35 122.04,143.35 121.95,143.44 121.95,144.97 122.04,145.06 123.08,145.06 123.33,145.31 123.33,145.85 123.08,146.1 121.87,146.1 118.95,149.02 118.95,151.43 115.05,155.32 114.7,155.32 114.35,154.97 114.22,154.97 113.98,155.21 113.98,155.34 114.33,155.69 114.33,156.04 114,156.38 113,156.38 112.76,156.13 112.76,154.91 112.67,154.83 112.41,154.83 112.32,154.91 112.32,156.13 112.07,156.38 111.58,156.38 111.33,156.13 111.33,154.91 111.24,154.83 110.98,154.83 110.89,154.91 110.89,156.13 110.65,156.38 110.15,156.38 109.91,156.13 109.91,154.91 109.82,154.83 109.56,154.83 109.47,154.91 109.47,155.87 108.59,156.75 106.6,156.75 105.59,157.76 95,157.76 94.76,158.01 94.76,162.74 95.25,163.22 v3(95.25,163.25)
FMCP_HSPC_LA04_N: length 162.4
  TOP w0.102: 128.68,78.09 v2(129.17,78.59) ; J22.H11 v3(92.75,164.5)
  16_SIG5 w0.075: 126.87,88.43 126.87,88.41 126.83,88.37 126.83,86.11 126.79,86.08 126.79,83.19 126.81,83.17 126.81,79.41 127.04,79.18 128.52,79.18 128.78,78.92 128.78,78.66 128.85,78.59 v2(129.17,78.59)
  16_SIG5 w0.087: 126.87,88.43 126.87,90.29 124.54,92.62 124.54,99.55 123.92,100.17 123.92,101.4 124.53,102.01 124.53,106.62 124.28,106.86 124.28,108.02 123.59,108.71 123.59,116.85 123.24,117.2 123.24,126.62 124,127.39 124,130.75 124.92,131.68 124.92,134.08 124.55,134.45 123.9,134.45 122,136.35 122,137.55 121.65,137.9 120.72,137.9 117.22,141.4 117.22,141.87 116.98,142.11 115.79,142.11 115.7,142.2 115.7,142.46 115.79,142.55 116.98,142.55 117.22,142.8 117.22,143.29 116.98,143.54 115.79,143.54 115.7,143.63 115.7,143.89 115.79,143.98 116.98,143.98 117.22,144.23 117.22,144.68 116.83,145.08 116.3,145.08 116.2,145.18 116.2,147.19 115.89,147.5 115.39,147.5 115.1,147.21 115.1,146.2 114.97,146.08 114.21,146.08 113.96,145.83 113.96,144.89 113.87,144.8 113.61,144.8 113.52,144.89 113.52,145.83 113.28,146.08 112.79,146.08 112.54,145.83 112.54,144.89 112.45,144.8 112.19,144.8 112.1,144.89 112.1,145.83 111.85,146.08 111.36,146.08 111.11,145.83 111.11,144.89 111.02,144.8 110.76,144.8 110.67,144.89 110.67,145.83 110.43,146.08 109.94,146.08 109.69,145.83 109.69,144.89 109.6,144.8 109.34,144.8 109.25,144.89 109.25,145.83 109,146.08 108.51,146.08 108.26,145.83 108.26,144.89 108.17,144.8 107.91,144.8 107.82,144.89 107.82,145.83 107.58,146.08 107.09,146.08 106.84,145.83 106.84,144.89 106.75,144.8 106.49,144.8 106.4,144.89 106.4,145.83 106.15,146.08 105.96,146.08 105.88,146.16 105.88,146.39 106.01,146.53 114.33,146.53 114.58,146.77 114.58,147.23 114.3,147.5 106.31,147.5 105.9,147.91 105.9,152.11 105.31,152.7 91.24,152.7 91.01,152.93 91.01,161.01 91.22,161.23 92,161.23 92.25,161.47 92.25,164.75 92.5,165 93.16,165 93.25,164.91 93.25,164.6 93.15,164.5 v3(92.75,164.5)
FMCP_HSPC_LA04_P: length 163.1
  TOP w0.102: J22.H10 v3(94,164.5) ; 127.69,78.09 v2(128.19,78.59)
  16_SIG5 w0.075: v2(128.19,78.59) 128.51,78.59 128.58,78.66 128.58,78.84 128.44,78.98 126.96,78.98 126.61,79.33 126.61,83.09 126.59,83.11 126.59,86.16 126.63,86.19 126.63,88.37 126.59,88.41 126.59,88.43
  16_SIG5 w0.087: v3(94,164.5) 93.53,164.98 93.53,165.03 93.28,165.28 92.39,165.28 91.97,164.86 91.97,161.59 91.89,161.5 91.11,161.5 90.74,161.13 90.74,152.81 91.12,152.43 105.2,152.43 105.62,152 105.62,147.8 106.2,147.23 114.19,147.23 114.3,147.11 114.3,146.89 114.21,146.8 105.9,146.8 105.6,146.5 105.6,146.05 105.85,145.8 106.04,145.8 106.12,145.71 106.12,144.77 106.37,144.53 106.86,144.53 107.11,144.77 107.11,145.71 107.2,145.8 107.46,145.8 107.55,145.71 107.55,144.77 107.8,144.53 108.29,144.53 108.54,144.77 108.54,145.71 108.62,145.8 108.89,145.8 108.97,145.71 108.97,144.77 109.22,144.53 109.71,144.53 109.96,144.77 109.96,145.71 110.05,145.8 110.31,145.8 110.4,145.71 110.4,144.77 110.65,144.53 111.14,144.53 111.39,144.77 111.39,145.71 111.47,145.8 111.74,145.8 111.82,145.71 111.82,144.77 112.07,144.53 112.56,144.53 112.81,144.77 112.81,145.71 112.9,145.8 113.16,145.8 113.25,145.71 113.25,144.77 113.5,144.53 113.99,144.53 114.24,144.77 114.24,145.71 114.32,145.8 115.09,145.8 115.38,146.09 115.38,147.1 115.5,147.23 115.78,147.23 115.92,147.08 115.92,145.06 116.19,144.8 116.71,144.8 116.95,144.56 116.95,144.34 116.86,144.25 115.67,144.25 115.42,144 115.42,143.51 115.67,143.26 116.86,143.26 116.95,143.18 116.95,142.91 116.86,142.83 115.67,142.83 115.42,142.58 115.42,142.09 115.67,141.84 116.86,141.84 116.95,141.75 116.95,141.29 120.61,137.62 121.54,137.62 121.72,137.44 121.72,136.24 123.79,134.18 124.44,134.18 124.65,133.96 124.65,131.79 123.72,130.86 123.72,127.5 122.96,126.74 122.96,117.09 123.31,116.74 123.31,108.6 124,107.9 124,106.75 124.25,106.5 124.25,102.12 123.64,101.51 123.64,100.05 124.26,99.43 124.26,92.5 126.59,90.18 126.59,88.43
FMCP_HSPC_LA05_N: length 163.1
  TOP w0.102: J22.D12 v3(91.5,159.5) ; v2(128.19,79.57) 127.69,79.08
  16_SIG5 w0.075: 127.81,88.89 127.81,88.88 127.77,88.84 127.77,86.11 127.79,86.1 127.79,85.25 127.81,85.23 127.81,83.13 127.79,83.11 127.79,79.71 127.93,79.57 v2(128.19,79.57)
  16_SIG5 w0.087: v3(91.5,159.5) 91.7,159.7 91.7,159.99 91.96,160.25 93.25,160.25 93.5,160 93.5,159.06 93.19,158.75 92.35,158.75 92.26,158.66 92.26,154.22 92.47,154.01 105.97,154.01 106.24,153.75 107.59,153.75 108.55,152.79 108.55,151.95 108.3,151.7 107.6,151.7 107.35,151.95 107.35,152.24 107.26,152.33 106.89,152.33 106.8,152.24 106.8,151.18 106.92,151.05 115.38,151.05 115.63,150.8 115.63,150.37 115.38,150.12 106.95,150.12 106.84,150.01 106.84,149.76 106.92,149.68 115.5,149.68 115.7,149.48 115.7,149.02 115.45,148.78 106.98,148.78 106.86,148.66 106.86,148.46 106.95,148.38 115.79,148.38 116.08,148.66 116.08,150.8 116.32,151.05 116.76,151.05 117.12,150.69 117.12,146.03 118.1,145.05 118.1,141.78 121.1,138.78 122.46,138.78 122.9,138.34 122.9,136.71 123.61,136 125.95,136 126.38,135.58 126.38,133.38 126.9,132.85 126.9,132.25 125.9,131.25 125.9,130.53 125.65,130.28 125.06,130.28 124.92,130.15 124.92,126.77 124.14,125.99 124.14,117.58 124.49,117.23 124.49,109.12 125.58,108.03 125.58,106.91 125.4,106.74 125.4,101.74 125.65,101.49 125.65,99.33 125.45,99.13 125.45,92.98 127.81,90.62 127.81,88.89
FMCP_HSPC_LA05_P: length 162.9
  TOP w0.102: v2(127.2,79.57) 126.71,79.08 ; J22.D11 v3(92.75,159.5)
  16_SIG5 w0.075: 127.54,88.89 127.54,88.88 127.58,88.84 127.58,86.03 127.6,86.02 127.6,85.17 127.61,85.15 127.61,83.21 127.6,83.19 127.6,79.64 127.52,79.57 v2(127.2,79.57)
  16_SIG5 w0.087: v3(92.75,159.5) 92.7,159.45 92.12,159.45 91.97,159.6 91.97,159.87 92.08,159.98 93.14,159.98 93.22,159.89 93.22,159.18 93.08,159.03 92.24,159.03 91.99,158.78 91.99,154.1 92.35,153.74 105.86,153.74 106.12,153.48 107.47,153.48 108.28,152.67 108.28,152.06 108.19,151.98 107.71,151.98 107.62,152.06 107.62,152.35 107.38,152.6 106.77,152.6 106.53,152.35 106.53,151.06 106.81,150.78 115.26,150.78 115.35,150.68 115.35,150.49 115.26,150.4 106.83,150.4 106.56,150.13 106.56,149.65 106.81,149.4 115.39,149.4 115.42,149.36 115.42,149.14 115.34,149.05 106.86,149.05 106.59,148.78 106.59,148.35 106.84,148.1 115.9,148.1 116.35,148.55 116.35,150.69 116.44,150.78 116.65,150.78 116.85,150.57 116.85,145.91 117.83,144.94 117.83,141.66 120.99,138.5 122.35,138.5 122.62,138.22 122.62,136.6 123.5,135.72 125.84,135.72 126.1,135.46 126.1,133.26 126.63,132.74 126.63,132.36 125.62,131.36 125.62,130.65 125.54,130.56 124.95,130.56 124.65,130.26 124.65,126.89 123.87,126.11 123.87,117.47 124.22,117.12 124.22,109 125.3,107.92 125.3,107.02 125.12,106.85 125.12,101.62 125.38,101.38 125.38,99.45 125.17,99.24 125.17,92.87 127.54,90.5 127.54,88.89
FMCP_HSPC_LA06_N: length 164.4
  TOP w0.102: 128.68,77.11 v2(129.17,77.6) ; J22.C11 v3(92.75,158.25)
  16_SIG5 w0.075: 128.54,88.99 128.54,88.97 128.58,88.93 128.58,87.8 128.6,87.78 128.6,86.09 128.58,86.08 128.58,84.88 128.56,84.86 128.56,83.1 128.58,83.08 128.58,80.31 128.93,79.96 129.33,79.96 129.56,79.73 129.56,77.32 129.49,77.25 129.25,77.25 129.17,77.33 v2(129.17,77.6)
  16_SIG5 w0.087: v3(92.75,158.25) 93.24,157.76 93.24,155.39 93.64,154.99 105.58,154.99 106.16,155.58 106.54,155.58 106.62,155.49 106.62,154.67 106.87,154.43 107.36,154.43 107.61,154.67 107.61,155.49 107.7,155.58 108.08,155.58 108.25,155.4 108.25,153.96 108.54,153.68 109.13,153.68 109.22,153.59 109.22,151.9 109.47,151.65 109.96,151.65 110.21,151.9 110.21,153.59 110.3,153.68 110.56,153.68 110.65,153.59 110.65,151.9 110.9,151.65 111.39,151.65 111.63,151.9 111.63,153.59 111.72,153.68 111.98,153.68 112.07,153.59 112.07,151.9 112.32,151.65 112.81,151.65 113.06,151.9 113.06,153.59 113.15,153.68 113.41,153.68 113.5,153.59 113.5,151.9 113.75,151.65 114.24,151.65 114.48,151.9 114.48,153.71 114.6,153.83 114.92,153.83 115.49,153.26 115.49,153.13 115.01,152.65 115.01,152.24 115.3,151.95 115.7,151.95 116.19,152.44 116.31,152.44 117.72,151.03 117.72,147.91 117.97,147.67 118.64,147.67 118.72,147.58 118.72,147.32 118.64,147.23 117.97,147.23 117.72,146.98 117.72,146.46 118.09,146.1 120.17,146.1 120.26,146.02 120.26,145.65 120.17,145.56 118.97,145.56 118.72,145.31 118.72,144.82 118.97,144.57 120.72,144.57 120.81,144.48 120.81,144.22 120.72,144.13 118.97,144.13 118.72,143.89 118.72,143.4 118.97,143.15 120.37,143.15 120.46,143.06 120.46,142.71 120.29,142.55 119.17,142.55 118.92,142.3 118.92,141.81 119.17,141.56 120.17,141.56 120.26,141.48 120.26,140.66 120.6,140.32 120.95,140.32 121.31,140.68 121.43,140.68 121.62,140.49 121.62,140.37 121.26,140.01 121.26,139.66 121.55,139.37 122.17,139.37 122.7,139.9 122.7,140.36 122.92,140.59 123.4,140.59 123.76,140.23 123.76,138.59 125.07,137.28 127.36,137.28 127.65,136.99 127.65,134.54 128.5,133.69 128.5,133.38 128.41,133.29 127.75,133.29 127.5,133.04 127.5,132.55 127.75,132.3 128.41,132.3 128.5,132.22 128.5,130.08 128.41,129.99 128.21,129.99 128.12,130.08 128.12,130.85 127.78,131.2 126.78,131.2 126.5,130.93 126.5,129.88 126.28,129.65 125.85,129.65 125.55,129.35 125.55,128.79 125.84,128.5 126.8,128.5 127.1,128.2 127.1,127.65 126.44,126.99 126.44,125.03 126.35,124.95 125.05,124.95 124.8,124.7 124.8,124.21 125.05,123.96 126.35,123.96 126.44,123.87 126.44,123.37 126.31,123.24 125.07,123.24 124.78,122.95 124.78,121.89 125.07,121.6 125.37,121.6 125.5,121.47 125.5,120.94 125.37,120.81 125.07,120.81 124.78,120.51 124.78,119.75 125.07,119.46 125.37,119.46 125.5,119.33 125.5,118.8 125.37,118.67 125.07,118.67 124.78,118.37 124.78,117.84 125.13,117.49 125.13,116.96 125.46,116.62 125.46,116.14 125.13,115.8 125.13,115.08 125.46,114.75 125.46,114.26 125.13,113.92 125.13,113.21 125.46,112.87 125.46,112.39 125.13,112.05 125.13,111.33 125.46,111 125.46,110.51 125.13,110.17 125.13,109.51 126.28,108.36 126.28,99.35 126.67,98.95 126.67,92.59 128.54,90.72 128.54,88.99
FMCP_HSPC_LA06_P: length 165.1
  TOP w0.102: 128.68,76.12 v2(129.17,76.62) ; J22.C10 v3(94,158.25)
  16_SIG5 w0.075: 128.82,88.99 128.82,88.97 128.78,88.93 128.78,87.88 128.79,87.86 128.79,86.01 128.78,85.99 128.78,84.8 128.76,84.78 128.76,83.18 128.78,83.16 128.78,80.39 129.01,80.16 129.41,80.16 129.76,79.81 129.76,77.24 129.57,77.05 129.25,77.05 129.17,76.97 v2(129.17,76.62)
  16_SIG5 w0.087: 128.82,88.99 128.82,90.83 126.95,92.7 126.95,99.07 126.55,99.46 126.55,108.48 125.4,109.63 125.4,110.06 125.74,110.4 125.74,111.11 125.4,111.45 125.4,111.93 125.74,112.27 125.74,112.98 125.4,113.32 125.4,113.81 125.74,114.15 125.74,114.86 125.4,115.2 125.4,115.68 125.74,116.02 125.74,116.73 125.4,117.07 125.4,117.61 125.05,117.95 125.05,118.26 125.19,118.39 125.48,118.39 125.77,118.68 125.77,119.44 125.48,119.74 125.19,119.74 125.05,119.87 125.05,120.4 125.19,120.53 125.48,120.53 125.77,120.82 125.77,121.58 125.48,121.88 125.19,121.88 125.05,122.01 125.05,122.83 125.19,122.97 126.42,122.97 126.72,123.26 126.72,123.98 126.47,124.23 125.16,124.23 125.08,124.32 125.08,124.58 125.16,124.67 126.47,124.67 126.72,124.92 126.72,126.88 127.38,127.54 127.38,128.31 126.91,128.78 125.95,128.78 125.83,128.9 125.83,129.24 125.96,129.38 126.39,129.38 126.78,129.76 126.78,130.81 126.89,130.93 127.66,130.93 127.85,130.74 127.85,129.96 128.1,129.71 128.53,129.71 128.77,129.96 128.77,132.33 128.53,132.58 127.86,132.58 127.78,132.67 127.78,132.93 127.86,133.02 128.53,133.02 128.77,133.27 128.77,133.8 127.92,134.65 127.92,137.1 127.47,137.55 125.18,137.55 124.03,138.7 124.03,140.34 123.51,140.86 122.81,140.86 122.43,140.48 122.43,140.01 122.06,139.64 121.66,139.64 121.53,139.77 121.53,139.89 121.89,140.25 121.89,140.61 121.55,140.95 121.2,140.95 120.84,140.59 120.71,140.59 120.53,140.77 120.53,141.59 120.28,141.84 119.29,141.84 119.2,141.93 119.2,142.19 119.29,142.28 120.41,142.28 120.73,142.6 120.73,143.17 120.48,143.42 119.09,143.42 119,143.51 119,143.77 119.09,143.86 120.83,143.86 121.08,144.11 121.08,144.6 120.83,144.85 119.09,144.85 119,144.93 119,145.2 119.09,145.28 120.28,145.28 120.53,145.53 120.53,146.13 120.29,146.38 118.2,146.38 118,146.58 118,146.87 118.09,146.95 118.75,146.95 119,147.2 119,147.69 118.75,147.94 118.09,147.94 118,148.03 118,151.14 116.43,152.71 116.08,152.71 115.59,152.22 115.42,152.22 115.28,152.36 115.28,152.53 115.77,153.02 115.77,153.37 115.04,154.1 114.49,154.1 114.21,153.82 114.21,152.01 114.12,151.93 113.86,151.93 113.77,152.01 113.77,153.7 113.52,153.95 113.03,153.95 112.78,153.7 112.78,152.01 112.7,151.93 112.43,151.93 112.35,152.01 112.35,153.7 112.1,153.95 111.61,153.95 111.36,153.7 111.36,152.01 111.27,151.93 111.01,151.93 110.92,152.01 110.92,153.7 110.67,153.95 110.18,153.95 109.93,153.7 109.93,152.01 109.85,151.93 109.58,151.93 109.5,152.01 109.5,153.7 109.25,153.95 108.65,153.95 108.53,154.08 108.53,155.51 108.19,155.85 107.59,155.85 107.34,155.6 107.34,154.79 107.25,154.7 106.99,154.7 106.9,154.79 106.9,155.6 106.65,155.85 106.05,155.85 105.46,155.26 93.75,155.26 93.51,155.51 93.51,158.16 93.6,158.25 v3(94,158.25)
FMCP_HSPC_LA07_N: length 164
  TOP w0.102: v2(127.2,78.59) 126.71,78.09 ; J22.H14 v3(89,164.5)
  16_SIG5 w0.075: 125.84,88.23 125.84,88.21 125.8,88.17 125.8,85.05 125.84,85.01 125.84,83.2 125.82,83.18 125.82,78.27 125.9,78.19 127.13,78.19 127.2,78.27 v2(127.2,78.59)
  16_SIG5 w0.087: v3(89,164.5) 89.23,164.28 89.56,164.28 89.7,164.42 89.7,164.66 89.61,164.76 89.37,164.99 87.39,164.99 87.26,164.86 87.26,164.15 87.4,164.01 88.19,164.01 88.51,163.7 88.51,161.76 88.76,161.51 89.32,161.51 89.76,161.07 89.76,152.09 90.03,151.83 103.33,151.83 103.58,151.58 103.58,151.11 103.31,150.85 89.61,150.85 89.53,150.76 89.53,150.43 89.6,150.35 103.84,150.35 103.97,150.49 103.97,151.54 104.26,151.83 104.74,151.83 105,151.56 105,145.63 105.09,145.54 105.25,145.54 105.5,145.29 105.5,144.8 105.25,144.55 105.09,144.55 105,144.47 105,144.14 105.21,143.93 114.04,143.93 114.3,143.66 114.3,139.53 114.45,139.38 114.88,139.38 114.97,139.46 114.97,140.98 115.24,141.25 115.71,141.25 115.95,141 115.95,139.46 116.04,139.38 116.34,139.38 116.43,139.46 116.43,139.98 116.68,140.23 117.17,140.23 117.42,139.98 117.42,139.46 117.5,139.38 118.03,139.38 120.8,136.6 120.8,136.33 122.6,134.53 122.6,133.5 123.33,132.78 123.33,131.46 123.12,131.26 123.12,128.03 121.93,126.83 121.93,123.66 122.33,123.26 122.33,116.83 122.72,116.43 122.72,108.16 122.86,108.02 122.86,106.79 123.62,106.02 123.62,102.42 122.58,101.37 122.58,100.22 123.61,99.18 123.61,92.25 125.84,90.02 125.84,88.23
FMCP_HSPC_LA07_P: length 165.1
  TOP w0.102: J22.H13 v3(90.25,164.5) ; v2(127.2,77.6) 126.71,77.11
  TOP w0.375: v2(129.17,53.98) U1.AP36
  16_SIG5 w0.075: 125.57,88.23 125.57,88.21 125.61,88.17 125.61,84.97 125.65,84.93 125.65,83.28 125.63,83.26 125.63,78.19 125.82,78 127.02,78 127.2,77.81 v2(127.2,77.6)
  16_SIG5 w0.087: 125.57,88.23 125.57,89.91 123.34,92.14 123.34,99.07 122.3,100.11 122.3,101.49 123.35,102.53 123.35,105.91 122.59,106.67 122.59,107.91 122.45,108.05 122.45,116.32 122.05,116.72 122.05,123.15 121.65,123.54 121.65,126.94 122.85,128.14 122.85,131.38 123.05,131.58 123.05,132.66 122.33,133.39 122.33,134.41 120.53,136.21 120.53,136.49 117.92,139.1 117.39,139.1 117.14,139.35 117.14,139.86 117.05,139.95 116.79,139.95 116.7,139.86 116.7,139.35 116.46,139.1 115.93,139.1 115.68,139.35 115.68,140.89 115.59,140.98 115.35,140.98 115.24,140.86 115.24,139.35 114.99,139.1 114.34,139.1 114.03,139.41 114.03,143.55 113.92,143.65 105.1,143.65 104.72,144.02 104.72,144.58 104.97,144.83 105.14,144.83 105.22,144.92 105.22,145.18 105.14,145.27 104.97,145.27 104.72,145.51 104.72,151.45 104.62,151.55 104.38,151.55 104.25,151.43 104.25,150.38 103.95,150.08 89.49,150.08 89.25,150.31 89.25,150.88 89.5,151.12 103.2,151.12 103.3,151.23 103.3,151.46 103.21,151.55 89.91,151.55 89.49,151.97 89.49,160.95 89.2,161.24 88.64,161.24 88.24,161.65 88.24,163.58 88.08,163.74 87.29,163.74 86.99,164.04 86.99,164.97 87.28,165.26 89.49,165.26 89.8,164.95 90.02,164.73 v3(90.25,164.5)
